# KiCad board einkPDA_keyboard.kicad_pcb (continued)
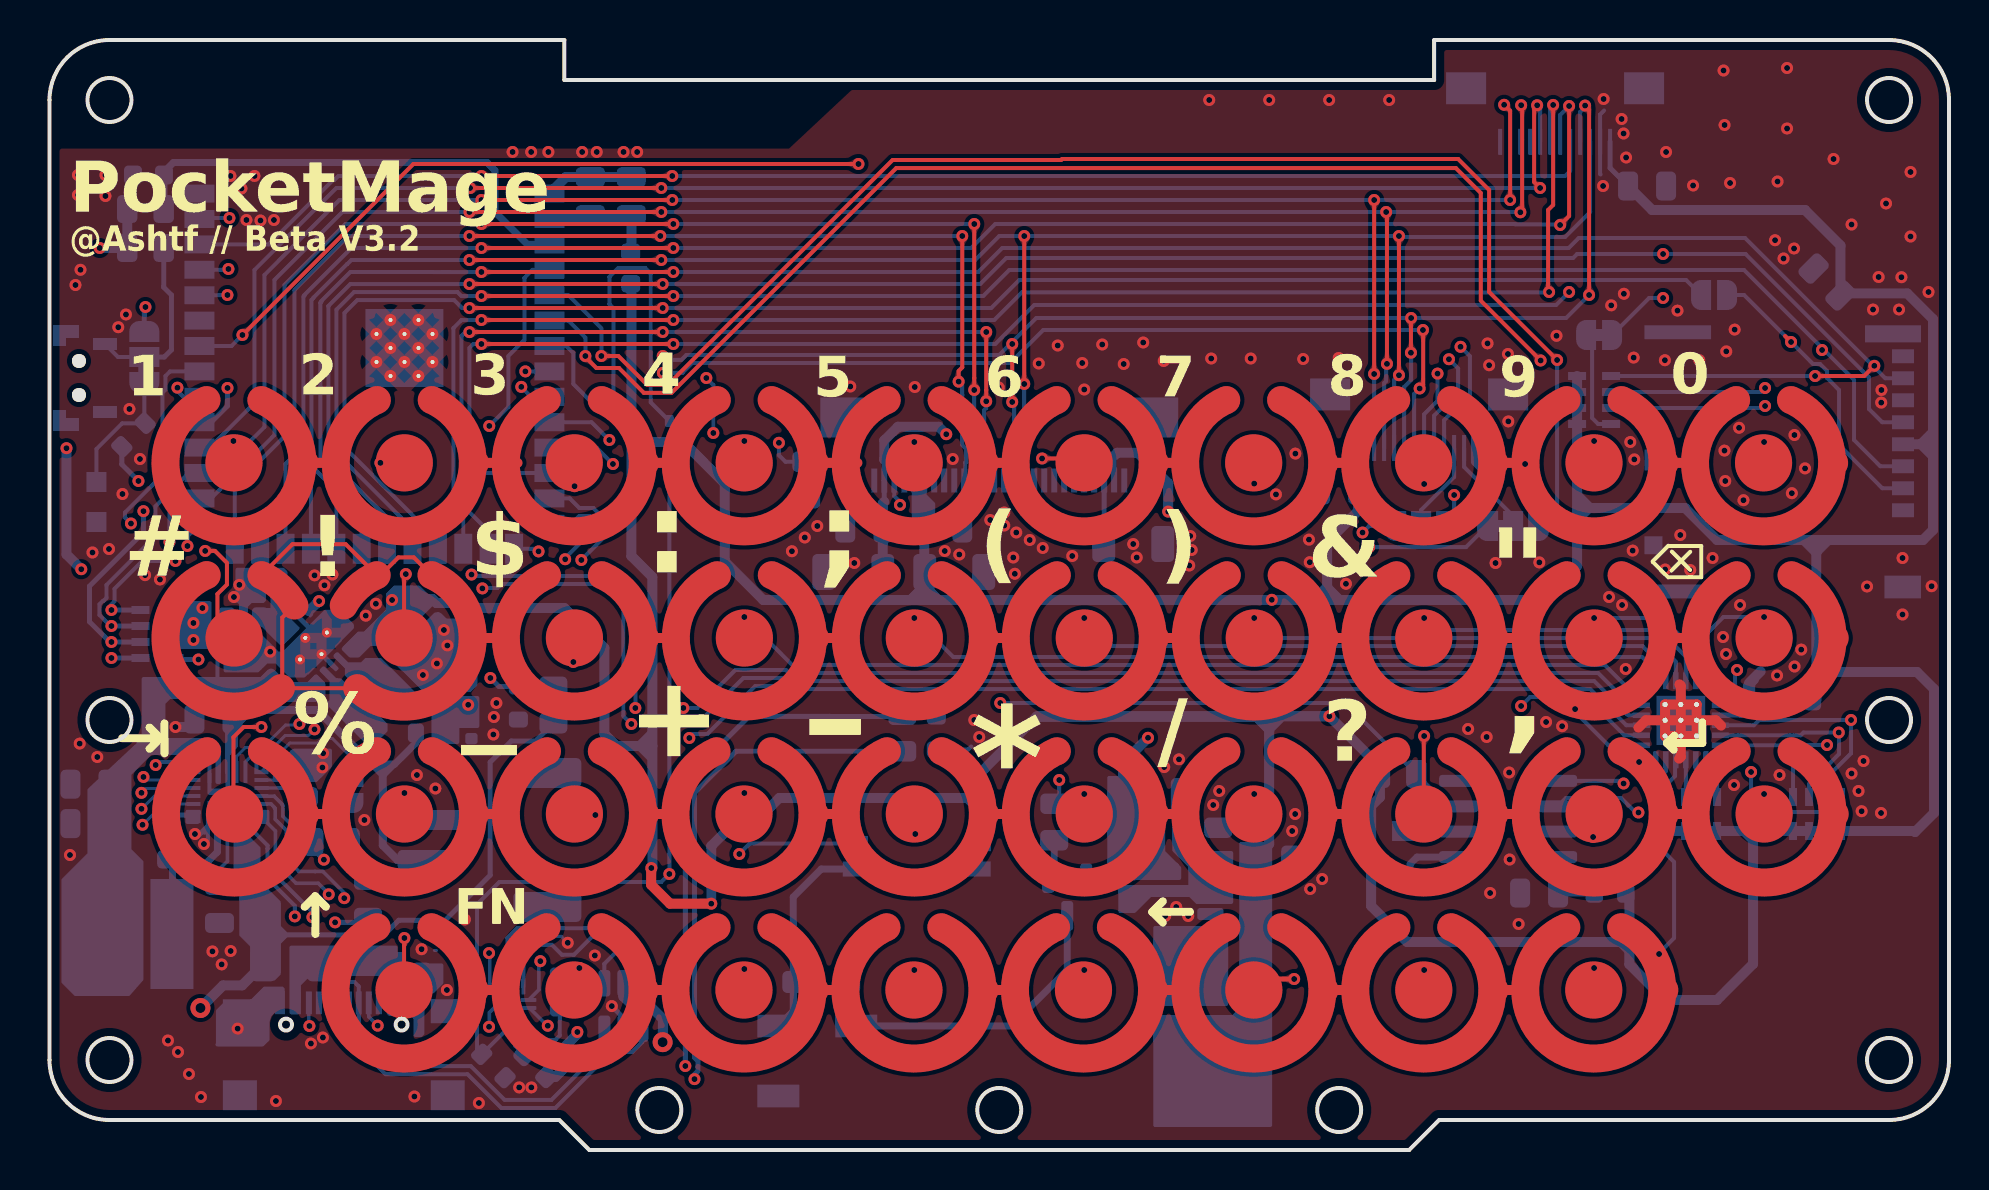
[diagram p0: board, top side]
## Routing (per net, layer and track width the routed paths; a pad name or vN(x,y) marks a point on that pad's centre or on a via; arc(x,y) is an arc through that point) (continued)
SPI_MISO: length 54
  Top w0.2: v1(68.52,38.08) 68.7,38.25 68.7,40.99 v1(68.69,41)
  In2.Cu w0.2: v1(23.6,38.16) 23.64,38.2 26,38.2 26.35,38.55 30.09,38.55 30.4,38.86 v1(30.68,38.86)
  Bottom w0.2: v1(68.69,41) 68.35,41 68.35,41 67.85,41 67.85,41 49.7,41 48.06,39.36 47.68,39.36 47.67,39.35 32.15,39.35 31.66,38.86 v1(30.68,38.86) ; v1(23.6,38.16) 24.09,37.66 U1.9 ; J5.6 68.25,37.8 v1(68.52,38.08)
SPI_MOSI: length 105.3
  Top w0.2: v1(67.49,45.7) 67.49,39.36 v1(67.49,38.74) ; v1(48.75,38.3) 48.75,38.25 v1(48.75,45.7) ; v1(30.6,44.5) v1(21,44.5)
  Bottom w0.2: J3.11 48.75,38.25 48.75,38.25 v1(48.75,38.3) ; v1(21,44.5) 15.1,44.5 14.9,44.3 14.88,44.3 13.2,42.62 13.2,42.6 13.1,42.5 13.1,34.2 14.34,32.96 U1.22 ; J5.4 67.25,38.5 v1(67.49,38.74) ; J2.10 77.05,46.9 75.8,45.65 67.54,45.65 v1(67.49,45.7) 67.25,45.7 67.25,45.7 67.25,45.7 v1(48.75,45.7) 48.75,45.7 47.5,45.7 46.3,44.5 v1(30.6,44.5)
SPI_SCK: length 81.4
  Top w0.2: v1(48.15,40.3) 48.15,40.3 v1(48.15,37.4) ; v1(68.1,41.6) 68.09,41.59 v1(68.09,39.86) ; v1(77,42.75) 77,52.02 v1(76.8,52.22)
  In2.Cu w0.2: v1(30.67,39.7) 29.92,38.95 23.82,38.95 v1(23.8,38.93)
  Bottom w0.2: J5.5 67.75,38.15 68.1,38.5 68.1,39.85 v1(68.09,39.86) ; 48.17,40.42 48.15,40.4 v1(48.15,40.3) ; 48.17,40.42 49.35,41.6 75.85,41.6 v1(77,42.75) 76.88,42.62 ; 48.17,40.42 47.5,39.75 31.85,39.75 31.61,39.51 30.86,39.51 v1(30.67,39.7) ; v1(23.8,38.93) U1.8 ; v1(76.8,52.22) 76.75,52.17 76.75,52.1 76.55,51.9 J2.9 ; v1(48.15,37.4) 48.25,37.3 J3.12
TX: length 68.2
  In2.Cu w0.2: v1(65.67,30.87) 65.41,31.13 64.92,31.13 64.65,31.4 64.65,35.75 63.6,36.8 46.63,36.8 46.03,37.4 46,37.4 45.9,37.5 23.1,37.5 22.6,38 14.55,38 8.95,43.6 v1(8.95,44.05)
  Bottom w0.2: v1(8.95,44.05) 8.91,44.01 U1.37 ; v1(65.67,30.87) 66,31.2 JP4.1
USB_5V: length 57.7
  In2.Cu w0.5: v2(30.66,5.39) 30.35,5.08 16.04,5.08 15.12,4.16 10.7,4.16 9.66,5.2 8.7,5.2 7.55,6.35 v2(7.55,7.1)
  Bottom w0.25: R9.1 24.31,20.45 23.1,20.45 22.04,19.39 22.04,13.74 19.78,11.48 17.47,11.48 16.74,10.76 10.7,10.76 F1.2
  Bottom w0.5: v2(30.66,5.39) 30.68,5.4 30.68,6.55 30.03,7.2 29.18,7.2 28.7,7.68 U2.5 ; 10.7,8.9 10.7,9.3 9.63,8.23 8.68,8.23 v2(7.55,7.1)
USB_D+: length 11.4
  Bottom w0.2: U2.6 29.65,9.36 29,10.01 29,10.4 28.31,11.09 23.39,11.09 22.9,10.6 U10.3
USB_D-: length 9.9
  Bottom w0.2: U10.5 23.7,9.48 24.48,10.26 25.13,10.26 25.63,9.76 26.23,9.76 27.12,10.65 27.99,10.65 28.4,10.24 28.4,9.88 28.38,9.86 28.3,9.86 27.75,9.31 U2.4 ; 27.75,8.65 27.75,8.04
USB_SW: length 21.7
  Bottom w0.2: U1.7 25.85,40.2 26.2,39.85 26.2,38.3 27.05,37.45 28.2,37.45 28.2,42.1 28,42.3 28,43.65 28.45,44.1 29.8,44.1 30.07,43.83 30.07,37.38 D5.2
V_SYS: length 18
  Bottom w0.2: 8.92,26.65 8.4,26.13 8.4,23.2 7.85,22.65
  Bottom w0.25: U9.13 8.45,19.51 8.42,19.54 8.42,19.87 8.04,20.26 8.04,20.27
  Bottom w0.4: 8.04,20.27 7.96,20.35 5.17,20.35 3.6,18.78 3.6,13.09 2.77,12.26
Net-(BZ1--): length 16.8
  Bottom w0.35: Q1.3 50.9,9 48.1,6.2 BZ1.2 40,6.55 D3.2
Net-(C20-Pad2): length 10
  Bottom w0.25: 17.13,8.83 14.53,8.83
  Bottom w0.5: J1.A4 17.12,8.38 16.5,9 12.9,9 12.32,8.42 J1.A9
Net-(D1-A): length 2.5
  Bottom w0.25: R16.1 15.01,14.12 15.9,13.24
Net-(D1-K): length 17.6
  In2.Cu w0.2: v1(14.28,11.38) 14.28,11.52 12.4,13.4 8.4,13.4 6,15.8 6,18.56 v1(5.31,19.25)
  Bottom w0.2: v1(5.31,19.25) 5.31,19.31 5.4,19.4 6.92,19.4 7.17,19.14
  Bottom w0.25: 15.9,11.36 15.88,11.38 v1(14.28,11.38)
Net-(D5-K): length 50.5
  In2.Cu w0.2: v1(34.5,14.8) 32,14.8 v1(31,13.8)
  Bottom w0.2: U10.10 22.9,6.07 R18.1 21.38,5.02 21.38,12.28 22.5,13.4 30.6,13.4 v1(31,13.8) D5.1 ; v1(34.5,14.8) 35.02,15.32 SW4.4
Net-(J1-CC1): length 21.8
  In2.Cu w0.18: v1(16.41,6.22) 14.9,4.7 10.92,4.7 10.2,5.42 10.2,8.97 12.03,10.8 12.03,11.44 v1(12.27,11.68)
  Bottom w0.18: v1(16.41,6.22) 15.97,6.66 J1.A5
  Bottom w0.2: U9.1 9.8,16.33 10.91,15.22 10.91,15.08 10.9,15.07 10.9,13.58 12.27,12.21 v1(12.27,11.68)
Net-(J1-CC2): length 18
  In2.Cu w0.18: v1(13,6.2) 13,6.18 12.12,5.3 11.03,5.3 10.88,5.45 10.88,9.11 11.96,10.2 12.55,10.2 12.56,10.21 13.14,10.21 13.15,10.22 v1(13.15,11.64)
  Bottom w0.18: 11.3,14.9 11.3,15.95 U9.22 ; v1(13,6.2) 12.97,6.23 J1.B5
  Bottom w0.2: 11.3,14.9 11.3,13.75 13.15,11.9 v1(13.15,11.64)
Net-(J1-D+-PadA6): length 22.9
  Bottom w0.2: J1.B6 13.97,6.54 14.21,6.3 14.97,6.3 J1.A6 14.97,5.63 16.81,3.79 20.91,3.79 22.6,2.1 25.3,2.1 28.1,4.9 29.15,4.9 29.65,5.4 U2.1
Net-(J1-D--PadA7): length 20.1
  Bottom w0.2: J1.A7 14.47,8.18 14.69,8.4 15.25,8.4 15.47,8.18 J1.B7 15.47,5.73 17.01,4.19 21.08,4.19 22.77,2.5 25.1,2.5 27.75,5.15 U2.3
Net-(J3-Pin_3): length 3.2
  Bottom w0.25: J3.3 52.75,30.32 52.72,30.3
Net-(J3-Pin_24): length 10.8
  In2.Cu w0.2: v1(36.48,35.36) 39.58,32.26 v1(42.54,32.26)
  Bottom w0.2: v1(36.48,35.36) 36.48,34.74 36.81,34.41 R20.1 ; J3.24 42.25,32.69 42.54,32.4 v1(42.54,32.26)
Net-(J4-DAT3/CD): length 27
  Top w0.2: v1(87.1,40.4) 86.8,40.7
  In2.Cu w0.2: v1(85.8,37.2) 85.2,37.8 85.2,38.5 v1(87.1,40.4)
  Bottom w0.2: JP1.2 84.75,42.75 88.2,39.3 88.55,39.3 88.9,38.95 88.9,38.6 89.5,38 89.5,35.25 91.66,33.09 J4.2 ; RN3.7 85.7,37.1 v1(85.8,37.2)
Net-(J5-Pin_10): length 4.6
  Bottom w0.2: JP4.2 68.6,32 70.25,33.65 J5.10
Net-(J5-Pin_11): length 4.9
  Bottom w0.2: J5.11 70.75,34.15 73.2,31.7 JP5.2
Net-(JP2-C): length 9
  Bottom w0.2: JP2.2 3.43,39.65 2.78,40.3
  Bottom w0.25: R14.2 5.71,43.14 6.1,42.75 6.1,40.01 5.74,39.65 JP2.2
Net-(JP3-B): length 5.3
  Bottom w0.2: JP3.2 77.15,40.45 77.15,36.6 77.45,36.3 RN3.8
Net-(JP6-B): length 6.8
  Bottom w0.15: U9.17 10.57,18.9 12.02,20.35 13.42,20.35 13.65,20.58 14.15,20.58 14.95,19.78 JP6.2
Net-(Q1-B): length 2
  Bottom w0.35: R15.2 50.25,13.89 Q1.1
Net-(RN1-R1.2): length 14.6
  In2.Cu w0.2: v1(84.4,24) 85.1,23.3 v1(85.1,18.9)
  Bottom w0.2: U5.20 84.23,22.24 84.3,22.31 84.3,23.9 v1(84.4,24) ; RN1.8 89.6,17.2 89.3,16.9 85.8,16.9 85.1,17.6 v1(85.1,18.9)
Net-(RN2-R1.1): length 2
  Bottom w0.2: U5.4 81.3,19.47 81.3,18.7 81,18.4 RN2.1
Net-(RN2-R2.1): length 1.9
  Bottom w0.2: U5.3 81.84,17.69 RN2.2
Net-(RN2-R3.1): length 2
  Bottom w0.2: U5.2 82.34,18.7 82.6,18.44 RN2.3
Net-(RN2-R4.1): length 2.1
  Bottom w0.2: RN2.4 83.4,18.3 82.84,18.86 U5.1
Net-(RN4-R1.1): length 16.9
  In2.Cu w0.15: v1(4.6,17.86) 3.14,17.86 0.93,20.07 0.93,24 1.53,24.6 v1(3.1,24.6)
  Bottom w0.15: U9.9 7.18,18.08 4.82,18.08 v1(4.6,17.86) ; v1(3.1,24.6) 4.9,24.6
  Bottom w0.25: v1(3.1,24.6) RN4.1
Net-(RN4-R1.2): length 22.6
  In2.Cu w0.25: v1(7.45,24.53) 8.15,24.53 9.01,23.66 ; 9.01,23.66 10.72,21.95 13.22,21.95 14.31,20.86 14.31,15.1 v1(13.72,14.52) ; 9.01,23.66 8.62,24.05
  Bottom w0.18: U9.19 12.42,18.1
  Bottom w0.25: RN4.8 6.33,24.53 v1(7.45,24.53) ; v1(13.72,14.52) 13.19,15.05 R16.2 13.19,17.28 12.42,18.05
Net-(U1-3V3): length 5.7
  Bottom w0.5: 29.1,46.55 U1.2 ; C2.2 29.1,45.16
Net-(U1-IO0): length 7.7
  In2.Cu w0.25: v1(4.45,33.45) 6.9,31 v1(6.9,30.2)
  Bottom w0.25: v1(4.45,33.45) 3.62,34.28 R8.2 ; v1(6.9,30.2) 6.9,30.71 U1.27
Net-(U4-OSCI): length 3
  Bottom w0.35: U4.1 68.4,14.64 68.05,14.3 68.05,13.9
Net-(U4-OSCO): length 1.9
  Bottom w0.35: 70.47,15.92 68.53,15.92
Net-(U4-VDD): length 3.2
  Bottom w0.35: U4.8 75.43,12.88 C9.2 76.89,12.85
Net-(U5-VCC): length 3
  Bottom w0.25: 86.24,22.5 85.86,22.12 C8.1 84.62,21.74 U5.21
Net-(U9-BST): length 2.2
  Bottom w0.25: C27.2 5.86,16.61 6,16.75 7.32,16.75 7.45,16.87
Net-(U9-NTC1): length 71
  In2.Cu w0.25: v1(4.7,18.65) 5.28,18.07 5.28,7.81 8.59,4.5 9.55,4.5 10.46,3.58 15.36,3.58 16.28,4.5 31.5,4.5 v1(31.8,4.2)
  Bottom w0.15: v1(4.7,18.65) 4.85,18.5 U9.10
  Bottom w0.25: 39.04,21.67 39.03,21.68 34.98,21.68 31.8,18.5 v1(31.8,4.2) ; TH1.1 38.64,21.67
Net-(U9-PMID): length 3.8
  Bottom w0.18: C23.2 8.5,14.04 8.9,14.44 U9.3
Net-(U9-SW): length 12.9
  Bottom w0.25: U9.4 8.45,16.02 8.4,15.97 ; 6.53,9.92 6.53,13.28
  Bottom w0.35: C27.1 6.15,14.23 6.15,12.72 6.61,12.26 ; 8.4,15.97 8.4,14.9 6.62,13.12 6.62,10.65
Net-(U9-VRNTC): length 67.6
  In2.Cu w0.25: v1(4.65,16.26) 4.65,7.79 8.4,4.05 9.35,4.05 10.27,3.13 15.55,3.13 16.31,3.9 31.21,3.9 31.54,3.57 32.06,3.57 32.14,3.66 v1(32.26,3.54)
  Bottom w0.15: v1(4.65,16.26) 5.69,17.3 U9.7
  Bottom w0.25: v1(32.26,3.54) 32.26,3.77 32.43,3.94 32.43,4.46 32.26,4.63 32.26,17.86 34.34,19.94 43.05,19.94
Net-(U10-~{OE}): length 3.9
  Bottom w0.2: U10.8 23.7,6 24.2,5.5 25.3,5.5 25.52,5.72 25.52,7.05 R3.1

## Copper pours and planes (outline as drawn; the poured copper is in the pictures)
+3.3V on Bottom (solid shape): 5.85,27.35 8,27.35 8,25.15 5.85,25.15
+3.3V on Bottom (solid shape): 43.77,33.98 43.22,33.98 43.22,30.63 43.35,30.5 44.2,30.5 44.2,32.3 43.77,32.73
+3.3V on Bottom (solid shape): 59.6,15.3 59.6,7.05 59.2,6.65 55.3,6.65 55.3,1.25 61.05,1.25 61.05,15.3
+3.3V on Bottom (solid shape): 15.47,25.83 15.78,25.83 16.92,26.98 16.92,27.77 17.27,28.12 18.48,28.12 19.08,27.52 19.08,27.25 16.92,25.1 16.62,25.1 16.42,25.3 16.02,25.3 15.44,24.72 15.06,24.72 14.72,25.06
+3.3V on In2.Cu (solid shape): 7.5,28.72 6.36,27.57 7.14,26.79 7.51,26.76 7.72,27.11 7.72,28.49
+12V on Bottom (solid shape): 53,13.6 53,18.6 54.45,18.6 54.45,13.6
+12V on Bottom (solid shape): 53.55,13.6 56.5,13.6 56.5,14.1 55.7,14.9 55.7,16.35 53.55,16.35
GND on Bottom (solid shape): 71.7,33.86 72.26,33.86 72.26,36.14 72.13,36.27 71.19,36.27 71.19,34.37
GND on Bottom (solid shape): 14.03,19.97 12.26,19.97 11.27,18.98 11.27,18.5 13.33,18.5 14.03,19.2
GND on Bottom (solid shape): 21.3,26.48 19.72,26.48 19.42,26.77 19.3,26.77 17.28,24.75 17.28,24.47 18.75,23 21.03,23 21.3,23.28
GND on Bottom (solid shape): 11.63,8.07 10.77,8.07 10.09,7.4 8.88,7.4 8.42,6.95 8.42,5.3 8.4,5.28 10.65,5.28 10.91,5.53 10.91,6.44 11.01,6.75 11.67,7.41 11.67,8.03
GND on Bottom (solid shape): 17.79,7.86 18.27,8.34 18.27,9.23 18.27,9.23 19.6,9.23 19.6,8.37 19.16,7.93 18.83,7.93 18.65,7.76 18.65,5.83 18.58,5.75 18.3,5.75 18.3,6.61 17.79,7.12
GND on Bottom (solid shape): 15.12,26.13 12.72,23.72 12.05,23.72 11.35,24.42 10.85,24.42 10.41,23.98 8.81,23.98 8.81,25.75 8.92,25.87 9.58,25.87 9.58,27.32 9.4,27.5 9.4,29.01 11.67,29.01 11.8,28.88 11.8,28.48 11.79,28.47 10.72,28.47 10.72,27.5 10.67,27.45 10.08,27.45 9.82,27.2 9.82,25.93 9.9,25.85 10.39,25.85 11.47,24.77 11.47,24.83 11.71,24.83 13.79,26.91 14.47,26.91 15.12,26.25
GND on In1.Cu (solid shape): 14.86,26.62 14.86,24.3 14.02,23.46 11.74,23.46 11.53,23.67 11.53,26.06 12.09,26.62
GND on In1.Cu (solid shape): 81.99,23.09 80.94,23.09 80.95,23.07 79.94,22.05 79.94,20.39 79.95,20.4 80.54,19.81 82.46,19.81 82.42,19.8 82.41,19.76 83.29,20.64 83.29,21.79
GND on In2.Cu (solid shape): 14.86,26.65 14.99,26.52 14.99,23.92 14.55,23.48 12.15,23.48 11.57,24.06 11.57,26.07 12.14,26.64 12.88,26.64 12.89,26.65
GND on In2.Cu (solid shape): 82.05,23.08 80.9,23.08 80.91,23.06 79.9,22.05 79.9,20.38 79.93,20.4 80.53,19.8 82.42,19.8 82.45,19.75 83.25,20.55 83.25,21.88
GND on Top, Bottom, In1.Cu, In2.Cu: 99,59.5 -5,59.5 -5,-4.5 99,-4.5
BAT+ on Bottom (solid shape): 8.91,18.93 8.91,17.97 8,17.97 8,17.85 8.93,17.85 8.93,18.93
BAT_MEAS on Bottom (solid shape): 19.2,22.6 19.2,20.4 20.4,20.4 20.4,21.2 21.4,21.2 21.4,22.6
USB_5V on Bottom (solid shape): 9.39,16.04 9.51,16.04 10.46,15.08 10.46,13.39 11.47,12.38 11.47,8.82 11.22,8.57 10.31,8.57 10.13,8.75 10.13,10.22 9.59,10.76 9.59,13.64 9.31,14.01 9.31,17.21 9.38,17.21
V_SYS on Bottom (solid shape): 13.7,22.7 13.5,22.5 9.75,22.5 9.75,23.55 11.58,23.55 11.83,23.3 12.95,23.3 13.33,23.67 13.7,23.3
V_SYS on Bottom (solid shape): 9.75,22.5 9.6,22.65 6,22.65 5.7,22.35 5.7,20.4 4.71,20.4 4.71,23.55 9.75,23.55
V_SYS on Bottom (solid shape): 3.95,7.8 4.6,8.54 4.6,14.4 4,15 4,18.8 5.05,19.85 8.15,19.85 8.4,19.6 8.4,18.4 8.47,18.4 8.47,20.15 8.12,20.5 4.67,20.5 2,18 2,14.8 0.7,13.5 0.7,8.4 1.3,7.8
Net-(C20-Pad2) on Bottom (solid shape): 12.1,6.89 12.1,10.12 17.31,10.12 17.31,9.8 17.6,9.8 17.6,8.4 17.3,8.4 17.3,6.8 17,6.8 17,8.3 16.5,8.8 13,8.8 12.4,8.2 12.4,6.89
Net-(D2-A) on Bottom (solid shape): 58.85,11.1 58.85,7.3 55.3,7.3 55.3,11.1
Net-(U3-EN) on Bottom (solid shape): 12.41,26.09 11.5,27 10.65,27 10.6,26.95 10.6,26.31 11.61,25.3
Net-(U3-L1) on Bottom (solid shape): 13.61,23.98 14.1,23.49 14.1,22.46 14.02,22.38 14.02,22.25 15.86,20.41 16.24,20.41 16.81,20.98 16.81,21.26 14.55,23.48 14.29,23.5 13.71,24.08
Net-(U3-L2) on Bottom (solid shape): 14.39,24.79 14.89,24.29 15.63,24.29 15.84,24.5 16.55,24.5 18.3,22.75 18.3,22.5 17.4,21.6 17.09,21.6 14.88,23.76 14.88,24.12 14.3,24.7
Net-(U7-FB) on Bottom (solid shape): 57.05,13.15 53.55,13.15 53.55,11.95 54.25,11.95 55.05,12.75 57.05,12.75
Net-(U7-FB) on Bottom (solid shape): 59.1,12.4 59.1,14.85 57.75,14.85 57.15,15.45 57.15,16.35 56.25,16.35 56.25,15 57.05,14.2 57.05,12.75 57.4,12.4

Small or netless copper shapes (teardrops, artwork), in the pictures only: 218 on Bottom, 90 on Top, 171 on In2.Cu

## Text on the board
B.Silkscreen: Free Parking | JLCJLCJLCJLC | If I sell a lot of these / I'm getting a Miata | BOOT | A ship is safe / in a harbor, / but that's not / what ships / are for. | OLED | Expansion | Screen | PROGRAM | MUTE
F.Silkscreen: FN | @Ashtf // Beta V3.2 | 1 | 2 | 3 | 4 | 5 | 6 | 7 | 8 | 9 | 0 | PocketMage | # | % | ! | $ | ( | / | & | ? | ) | _ | + | : | ; | {dblquote} | , | * | -
